# KiCad board Controller.kicad_pcb (continued)
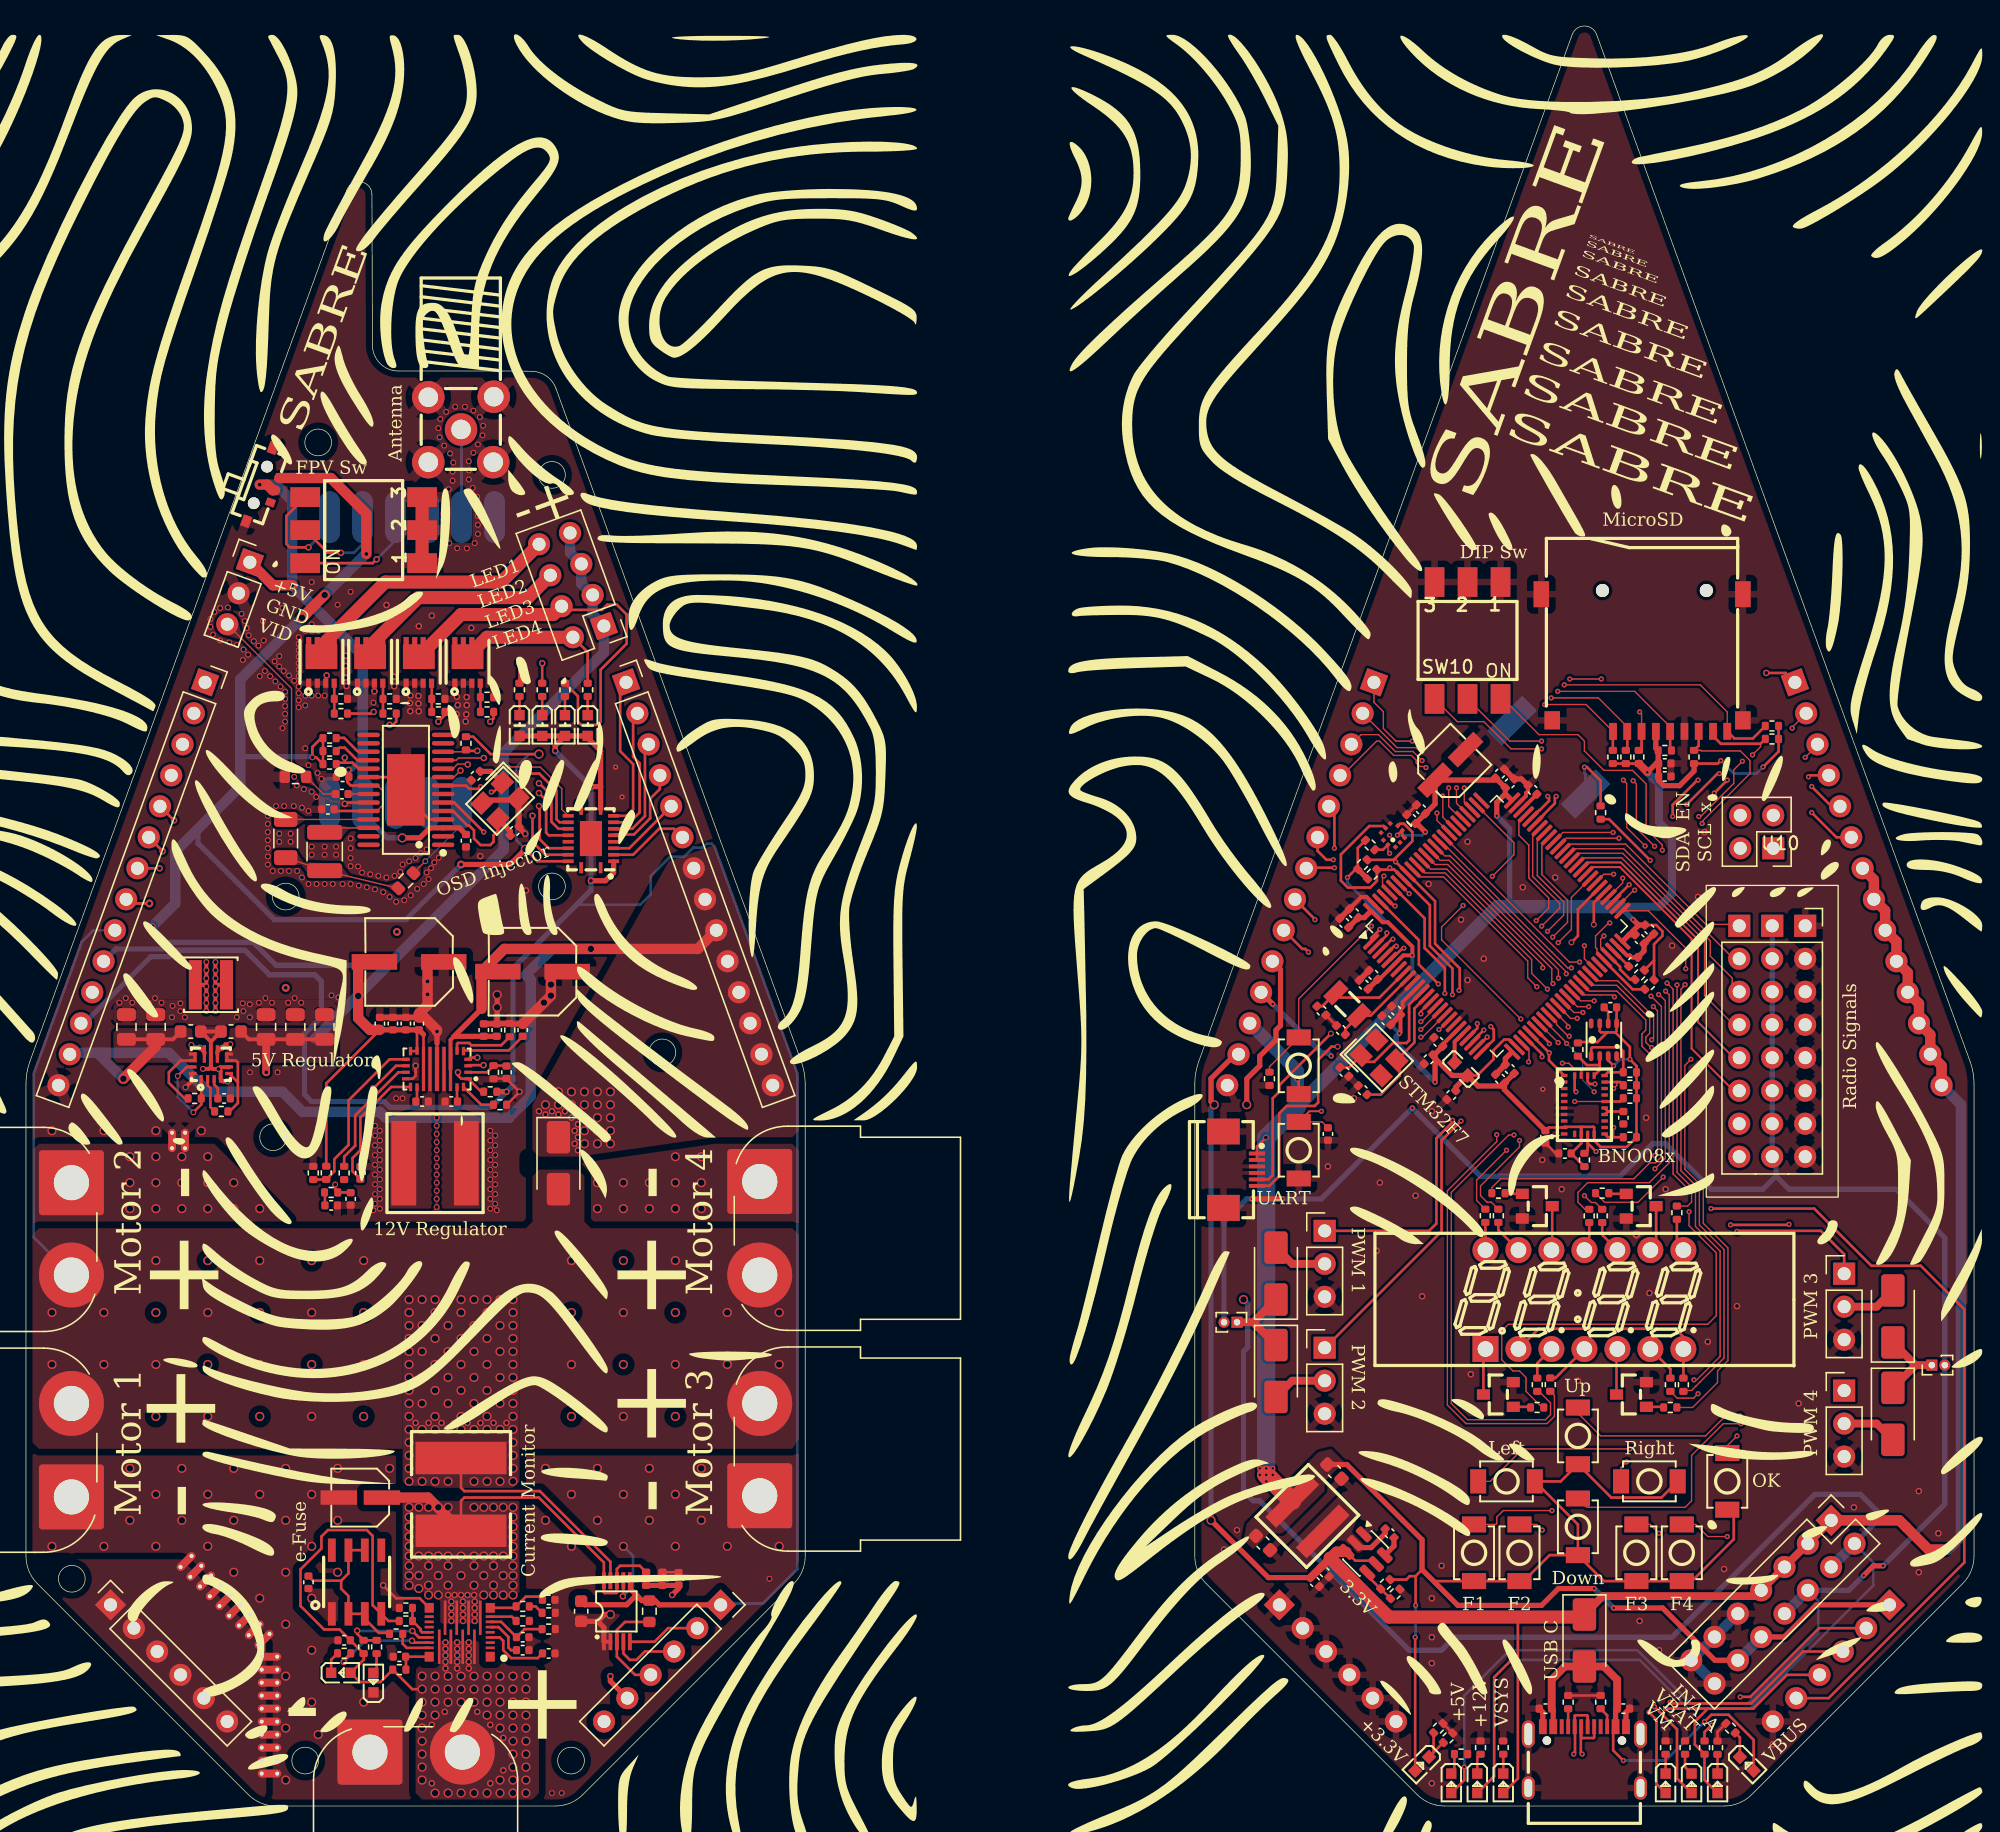
[diagram p0: board, top side]
## Copper pours and planes (outline as drawn; the poured copper is in the pictures) (continued)
BOOT2 on Top: 28,46 28,53 30.5,53.75 30.5,54.75 30.75,55 30.75,58.5 31.5,58.5 31.5,46
MGND_B on Top, Bottom, In1.Cu, In2.Cu: 19,0.5 18.5,1 18.5,12.5 12,19 1,19 0.5,19.5 0.5,50.5 1,51 14.5,51 20.5,45 38,45 38.5,45.5 38.5,50.5 39,51 59,51 59.5,50.5 59.5,18.25 41.75,0.5
VMOTORS_B on Top, Bottom: 29,25 29.5,24.5 37.5,24.5 38,25 38,27.5 59,27.5 59.5,28.25 59.5,44 59,44.5 43.5,44.5 43,45 43,48.5 42.5,49 39.5,49 39,48.5 39,45 38.5,44.5 1,44.5 0.5,44 0.5,28 1,27.5 29,27.5
VMOTORS_B on Top, Bottom, In1.Cu, In2.Cu: 37.5,24.5 29.5,24.5 29,25 29,39 29.5,39.5 37.5,39.5 38,39 38,25
VSYS_B on Top: 13.19,57.24 13.19,58.09 12.77,59.82 12.31,60.19 11.19,60.19 11.09,59.99 7.16,59.99 6.74,59.56 6.74,57.5 7,57.24
VSYS_B on Top, Bottom, In1.Cu, In2.Cu: 39,50.5 39.5,50 42.5,50 53,51.5 59,51.5 59.5,52 59.5,56.25 53,74 49.5,72.75 39,54
Net-(CN1-+) on Top, Bottom, In1.Cu, In2.Cu: 35.25,13.5 35.25,11 39,11 39.5,10.5 39.5,1 39,0.5 30.5,0.5 30,1 30,10.5 30.5,11 31.5,11 31.5,13.5
Net-(U9-L1) on In2.Cu: 12.49,65.24 14.14,65.24 14.14,60.93 14.1,60.05 14.02,59.07 13.99,58.41 13.99,57.36 13.86,57.24 13.58,57.24 13.49,57.33 13.49,57.96 12.49,57.96
Net-(U9-L2) on In2.Cu: 15.99,65.24 14.34,65.24 14.34,60.93 14.38,60.05 14.46,59.07 14.49,58.41 14.49,57.33 14.58,57.24 14.86,57.24 14.99,57.36 14.99,57.96 15.99,57.96
Net-(U12-SW) on Top: 102.5,19.5 102.75,19.5 103.2,20 102.1,21.1 102.6,22.4 101.1,23.9 97.1,19.9 98.6,18.4 100.7,20.5 101.5,20.4

Small or netless copper shapes (teardrops, artwork), in the pictures only: 15 on Top, 8 on Bottom

## Text on the board
B.Silkscreen: RF Launch Module | Buzzer
F.Silkscreen: SABRE | 5V Regulator | FPV Sw | 12V Regulator | UART | F1 | DIP Sw | Left | F2 | Up | Down | BNO08x | F3 | MicroSD | Right | F4 | OK | OSD Injector | LED1 / LED2 / LED3 / LED4 | VBUS | e-Fuse | Antenna | Current Monitor | +5V / +12V / VSYS | USB C | SDA  EN / SCL  x | PWM 3 | PWM 4 | Radio Signals | PWM 1 | PWM 2 | 3.3V | +3.3V | STM32F7 | VM | VBAT | INA_A | +5V / GND / VID | Motor 2 | Motor 1 | Motor 4 | Motor 3 | -+ | + | -
